# KiCad board iMX6_BareBones.kicad_pcb
title: i.MX 6ULL Bare Bones; date: 2026-04-22; rev: 1; company: Wolfe Electronics
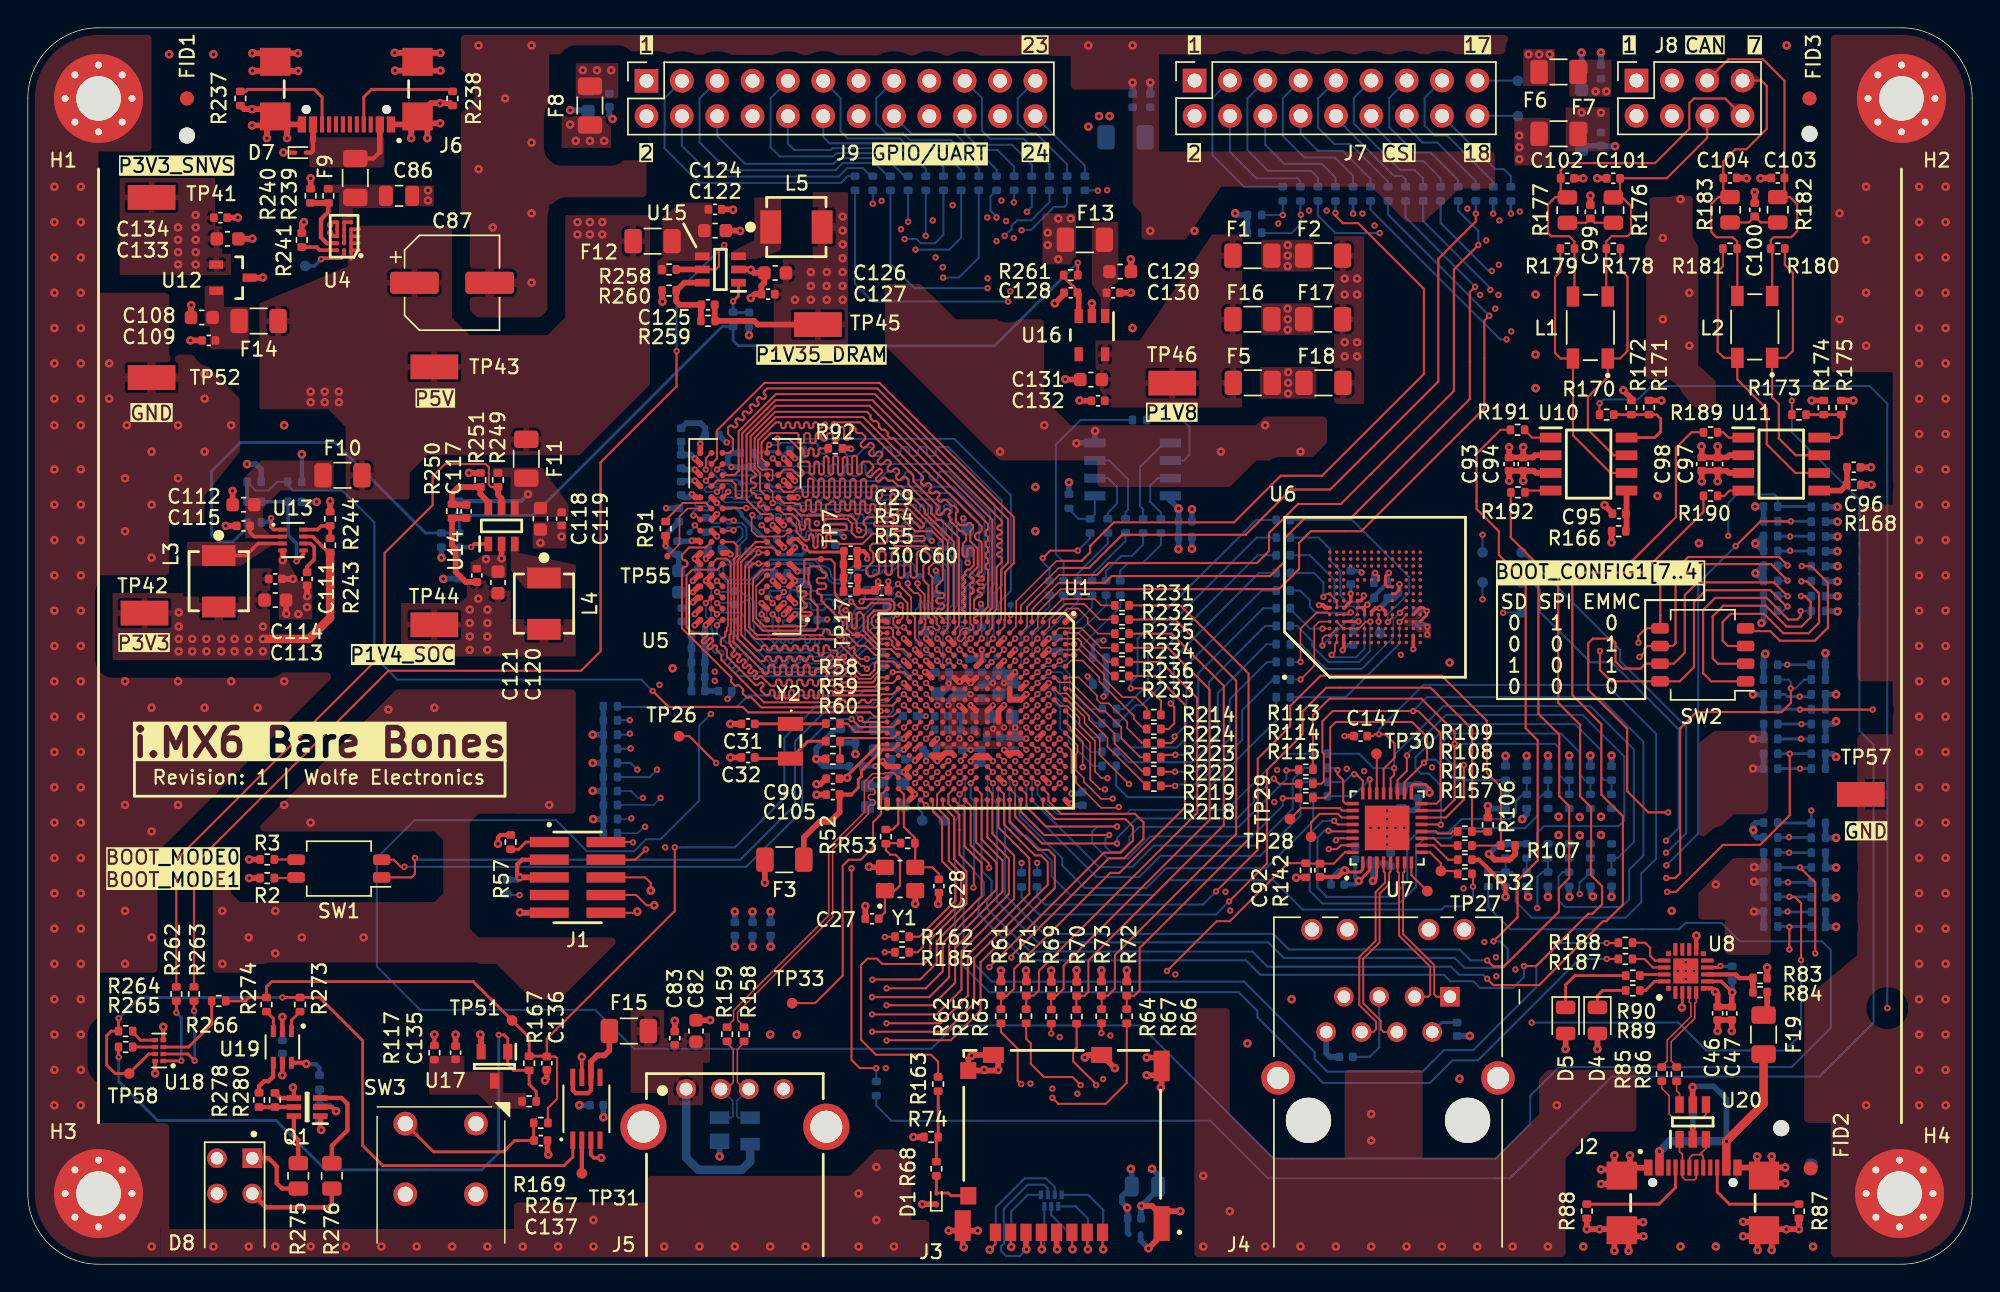
[diagram p0: board, top side]
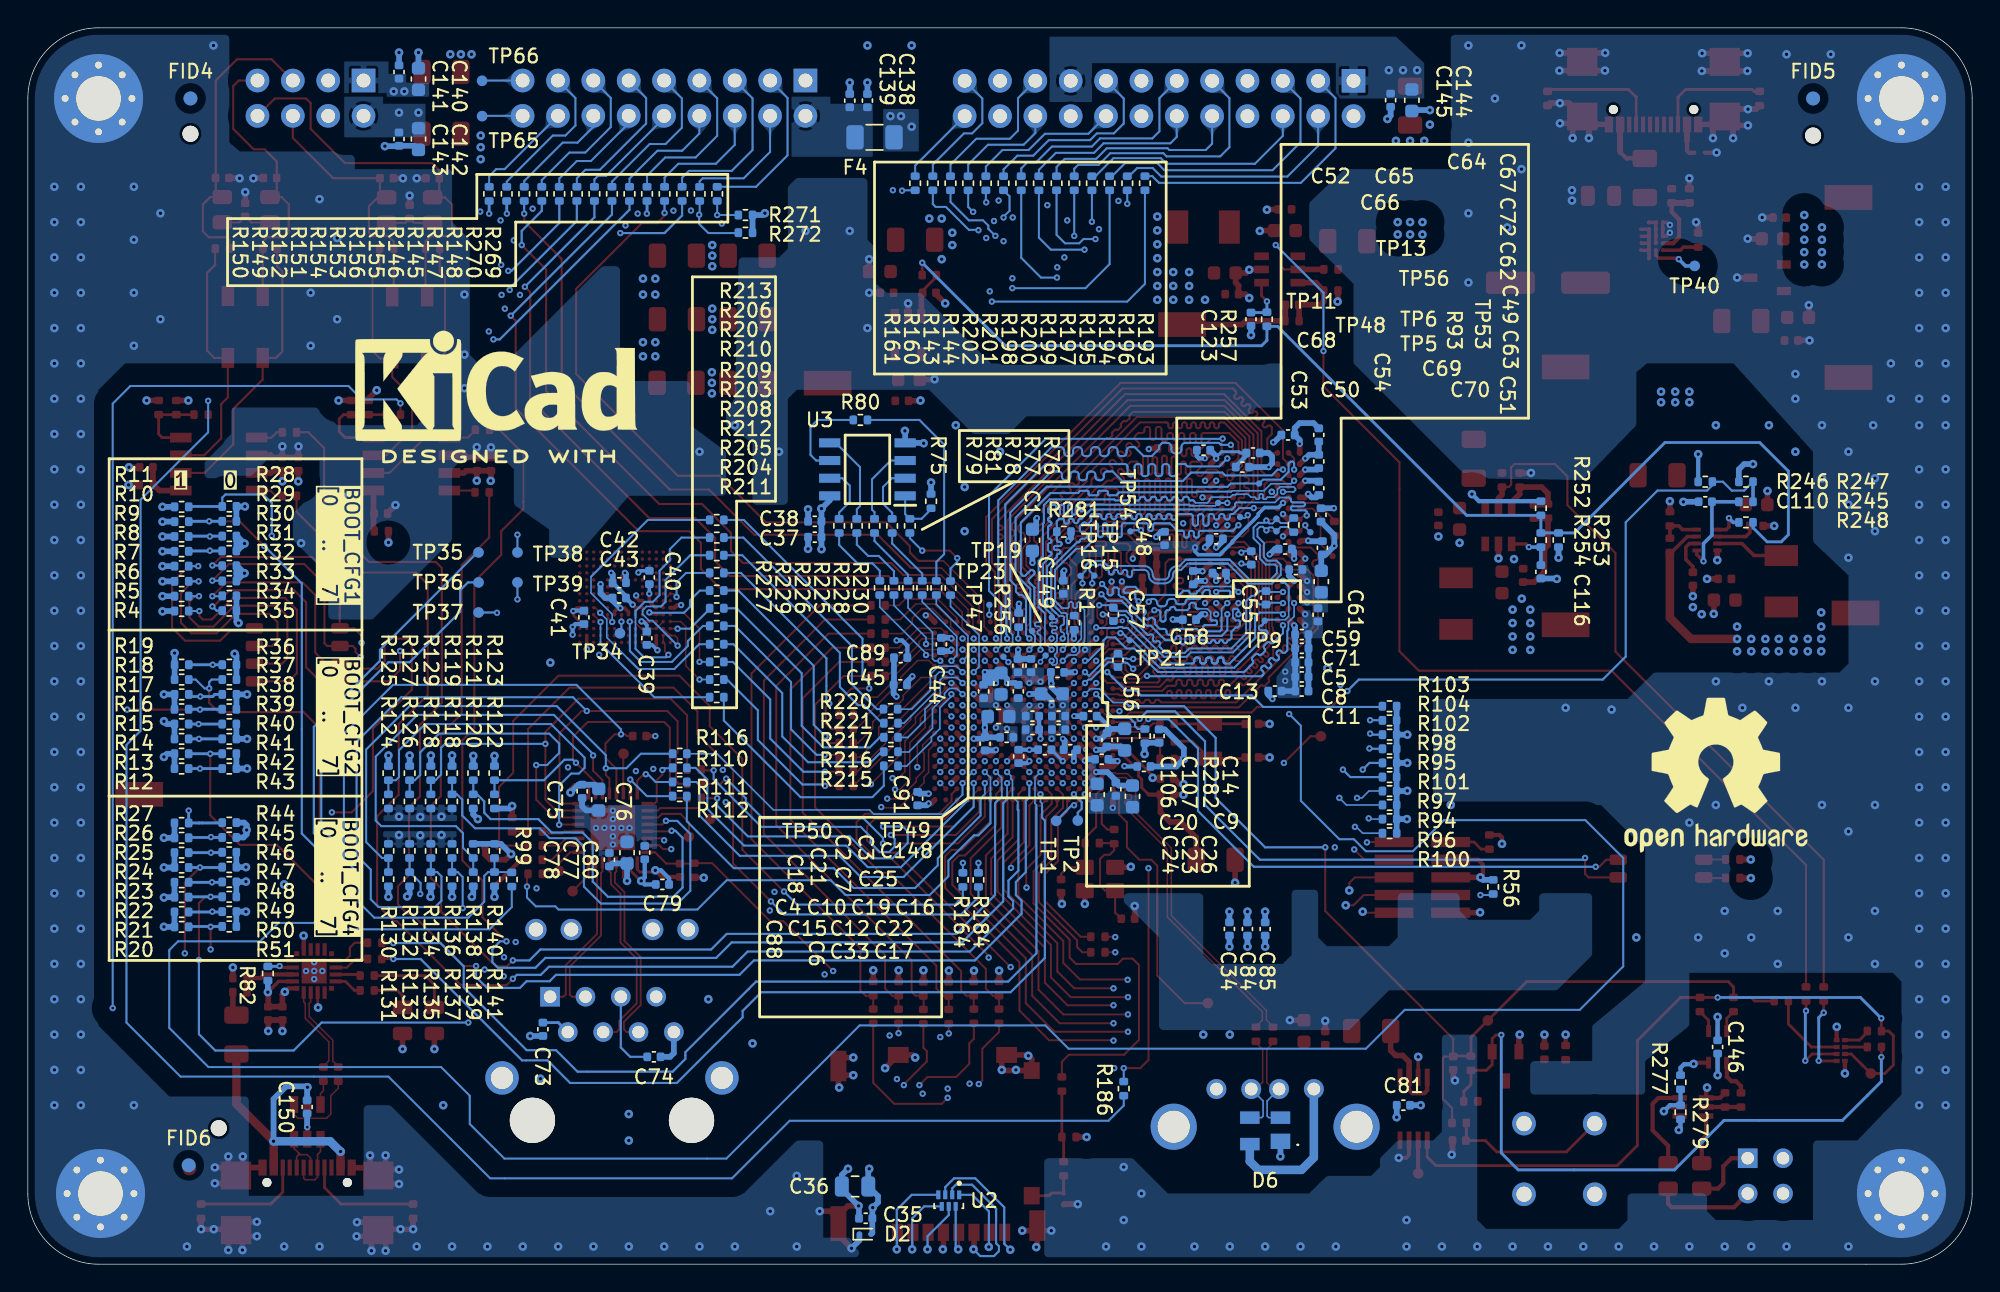
[diagram p1: board, bottom side, seen from below]

Outline 139.7 x 88.9 mm; copper layers: Top, In1.Cu (plane), In2.Cu (plane), In3.Cu, In4.Cu (plane), Bottom. Coordinates in mm from the lower left corner of the outline.
Outline path: 0,83.82 arc(1.49,87.41) 5.08,88.9 134.62,88.9 arc(138.21,87.41) 139.7,83.82 139.7,5.08 arc(138.21,1.49) 134.62,0 5.08,0 arc(1.49,1.49) 0,5.08 0,83.82
Stack: Top 0.035mm / dielectric 0.092mm FR4 er 4.1 / In1.Cu 0.03mm / dielectric 0.3mm FR4 er 4.6 / In2.Cu 0.03mm / dielectric 0.203mm FR4 er 4.4 / dielectric 0.218mm FR4 er 4.4 / dielectric 0.203mm FR4 er 4.4 / In3.Cu 0.03mm / dielectric 0.3mm FR4 er 4.6 / In4.Cu 0.035mm / dielectric 0.092mm FR4 er 4.1 / Bottom 0.0175mm

## Placement (name value [footprint] x y rotation side)
C1  10uF  [C_0603_1608Metric]  67.52 52.06 90 bottom
C2  0.22uF  [C_0402_1005Metric]  68.56 43.04 90 bottom
C3  0.22uF  [C_0402_1005Metric]  67.62 43.04 90 bottom
C4  22uF  [C_0603_1608Metric]  69.96 39.38 0 bottom
C5  0.22uF  [C_0402_1005Metric]  48.16 43.27 180 bottom
C6  4.7uF  [C_0402_1005Metric]  68.51 36.51 90 bottom
C7  4.7uF  [C_0402_1005Metric]  68.54 41.18 90 bottom
C8  0.22uF  [C_0402_1005Metric]  48.16 42.23 180 bottom
C9  0.22uF  [C_0402_1005Metric]  59.51 35.79 180 bottom
C10  0.22uF  [C_0402_1005Metric]  67.52 39.41 180 bottom
C11  0.22uF  [C_0402_1005Metric]  48.16 41.21 180 bottom
C12  0.22uF  [C_0402_1005Metric]  67.52 38.44 180 bottom
C13  0.22uF  [C_0402_1005Metric]  50.1 41.21 0 bottom
C14  0.22uF  [C_0402_1005Metric]  58.42 37.97 90 bottom
C15  0.22uF  [C_0402_1005Metric]  69.37 37.88 0 bottom
C16  0.22uF  [C_0402_1005Metric]  63.38 39.41 180 bottom
C17  0.22uF  [C_0402_1005Metric]  64.8 36.99 180 bottom
C18  0.22uF  [C_0402_1005Metric]  71.03 41.18 90 bottom
C19  0.22uF  [C_0402_1005Metric]  65.64 39.41 180 bottom
C20  0.22uF  [C_0402_1005Metric]  62.54 36.31 180 bottom
C21  22uF  [C_0603_1608Metric]  69.78 41.74 90 bottom
C22  0.22uF  [C_0402_1005Metric]  65.64 38.44 180 bottom
C23  0.22uF  [C_0402_1005Metric]  61.53 34.15 270 bottom
C24  10uF  [C_0603_1608Metric]  62.87 33.77 270 bottom
C25  22uF  [C_0603_1608Metric]  66.12 41.01 180 bottom
C26  10uF  [C_0603_1608Metric]  60.33 33.64 270 bottom
C27  22pF  [C_0402_1005Metric]  60.66 24.84 180 top
C28  22pF  [C_0402_1005Metric]  65.46 27.19 270 top
C29  0.1uF  [C_0402_1005Metric]  59.11 51.27 180 top
C30  0.1uF  [C_0402_1005Metric]  59.09 48.37 0 top
C31  18pF  [C_0402_1005Metric]  51.75 38.85 180 top
C32  18pF  [C_0402_1005Metric]  51.75 36.43 180 top
C33  4.7uF  [C_0402_1005Metric]  66.63 36.99 0 bottom
C34  0.22uF  [C_0402_1005Metric]  53.37 24.1 270 bottom
C35  0.22uF  [C_0402_1005Metric]  79.5 3.3 0 bottom
C36  47uF  [C_0805_2012Metric]  80.26 5.59 0 bottom
C37  0.22uF  [C_0402_1005Metric]  83.16 52.27 0 bottom
C38  2.2uF  [C_0402_1005Metric]  83.16 53.42 0 bottom
C39  1uF  [C_0402_1005Metric]  95.22 45.01 90 bottom
C40  0.22uF  [C_0402_1005Metric]  95.05 49.38 90 bottom
C41  2.2uF  [C_0402_1005Metric]  99.75 46.51 90 bottom
C42  0.22uF  [C_0402_1005Metric]  97.21 49 0 bottom
C43  2.2uF  [C_0402_1005Metric]  97.21 47.9 180 bottom
C44  0.22uF  [C_0402_1005Metric]  74.07 44.56 270 bottom
C45  0.22uF  [C_0402_1005Metric]  77.01 41.66 180 bottom
C46  4.7uF  [C_0402_1005Metric]  121.41 18.03 90 top
C47  0.1uF  [C_0402_1005Metric]  122.43 18.03 90 top
C48  0.22uF  [C_0402_1005Metric]  58.02 52.18 270 bottom
C49  0.22uF  [C_0402_1005Metric]  46.79 53.87 90 bottom
C50  0.22uF  [C_0402_1005Metric]  54.1 49.7 180 bottom
C51  22uF  [C_0603_1608Metric]  46.77 49.08 90 bottom
C52  0.22uF  [C_0402_1005Metric]  55.23 58.53 180 bottom
C53  0.22uF  [C_0402_1005Metric]  55.96 49.36 90 bottom
C54  2.2pF  [C_0402_1005Metric]  51.8 50.79 90 bottom  (not fitted)
C55  2.2pF  [C_0402_1005Metric]  50.73 47.92 270 bottom  (not fitted)
C56  2.2pF  [C_0402_1005Metric]  61.37 43.42 270 bottom
C57  2.2pF  [C_0402_1005Metric]  61.7 46.72 270 bottom
C58  0.22uF  [C_0402_1005Metric]  56.24 46.34 180 bottom
C59  0.22uF  [C_0402_1005Metric]  48.16 45.27 0 bottom
C60  0.22uF  [C_0402_1005Metric]  61.35 48.45 0 top
C61  0.22uF  [C_0402_1005Metric]  47 46.7 90 bottom
C62  0.22uF  [C_0402_1005Metric]  46.95 55.79 90 bottom
C63  0.22uF  [C_0402_1005Metric]  46.69 51.51 90 bottom
C64  0.22uF  [C_0402_1005Metric]  49.16 59.63 0 bottom
C65  0.22uF  [C_0402_1005Metric]  51.67 58.33 0 bottom
C66  0.22uF  [C_0402_1005Metric]  52.43 57.31 0 bottom
C67  0.22uF  [C_0402_1005Metric]  46.95 59.63 270 bottom
C68  0.22uF  [C_0402_1005Metric]  54.31 52.16 180 bottom
C69  0.22uF  [C_0402_1005Metric]  49.36 51.42 0 bottom
C70  0.22uF  [C_0402_1005Metric]  48.6 49.95 180 bottom
C71  0.22uF  [C_0402_1005Metric]  48.16 44.28 0 bottom
C72  0.22uF  [C_0402_1005Metric]  46.95 57.72 90 bottom
C73  0.1uF  [C_0402_1005Metric]  102.69 16.89 270 bottom
C74  0.1uF  [C_0402_1005Metric]  94.72 14.91 180 bottom
C75  0.1uF  [C_0402_1005Metric]  99.87 34 270 bottom
C76  22uF  [C_0603_1608Metric]  98.68 33.4 270 bottom
C77  22uF  [C_0603_1608Metric]  96.65 29.59 90 bottom
C78  0.1uF  [C_0402_1005Metric]  97.92 29.08 90 bottom
C79  0.1uF  [C_0402_1005Metric]  94.11 27.31 180 bottom
C80  2.2uF  [C_0402_1005Metric]  95.38 29.59 90 bottom
C81  1uF  [C_0402_1005Metric]  40.87 11.43 180 bottom
C82  10uF  [C_0603_1608Metric]  48.01 16.76 270 top
C83  0.1uF  [C_0402_1005Metric]  46.48 16.26 270 top
C84  0.22uF  [C_0402_1005Metric]  52.07 24.1 90 bottom
C85  0.22uF  [C_0402_1005Metric]  50.8 24.1 90 bottom
C86  4.7uF  [C_0805_2012Metric]  26.67 76.82 0 top
C87  100uF  [CP_Elec_6.3x7.7]  30.48 70.57 0 top
C88  0.22uF  [C_0402_1005Metric]  70.92 37.43 270 bottom
C89  0.22uF  [C_0402_1005Metric]  76.99 43.61 180 bottom
C90  1uF  [C_0402_1005Metric]  57.84 33.77 0 top
C91  0.22uF  [C_0402_1005Metric]  75.77 33.48 90 bottom
C92  0.1uF  [C_0402_1005Metric]  92.84 28.32 270 top
C93  1uF  [C_0402_1005Metric]  106.43 57.53 90 top
C94  0.1uF  [C_0402_1005Metric]  107.44 57.53 90 top
C95  1uF  [C_0402_1005Metric]  114.33 53.97 180 top
C96  1uF  [C_0402_1005Metric]  131.19 57.3 0 top
C97  0.1uF  [C_0402_1005Metric]  121.41 57.53 90 top
C98  1uF  [C_0402_1005Metric]  120.27 57.53 90 top
C99  0.01uF  [C_0402_1005Metric]  112.27 75.67 90 top  (not fitted)
C100  0.01uF  [C_0402_1005Metric]  124.08 75.82 90 top  (not fitted)
C101  56pF  [C_0402_1005Metric]  113.92 78.08 180 top
C102  56pF  [C_0402_1005Metric]  110.62 78.08 0 top
C103  56pF  [C_0402_1005Metric]  125.73 78.1 180 top
C104  56pF  [C_0402_1005Metric]  122.3 78.1 0 top
C105  1uF  [C_0402_1005Metric]  57.84 34.91 0 top
C106  0.1uF  [C_0402_1005Metric]  62.16 37.7 270 bottom
C107  10uF  [C_0603_1608Metric]  60.89 37.72 270 bottom
C108  10uF  [C_0603_1608Metric]  12.5 68.07 180 top
C109  0.1uF  [C_0402_1005Metric]  13 66.42 180 top
C110  0.22uF  [C_0402_1005Metric]  19.18 54.82 180 bottom
C111  2.2nF  [C_0402_1005Metric]  20.07 49.28 90 top
C112  10uF  [C_0603_1608Metric]  15.49 54.61 180 top
C113  22uF  [C_0603_1608Metric]  17.78 47.75 0 top
C114  0.1uF  [C_0402_1005Metric]  17.78 49.28 0 top
C115  0.1uF  [C_0402_1005Metric]  15.49 53.09 180 top
C116  0.22uF  [C_0402_1005Metric]  30.99 49.78 90 bottom
C117  22pF  [C_0402_1005Metric]  31.5 54.13 270 top
C118  10uF  [C_0603_1608Metric]  36.83 53.59 270 top
C119  0.1uF  [C_0402_1005Metric]  38.35 53.59 270 top
C120  10uF  [C_0603_1608Metric]  33.78 49.02 90 top
C121  0.1uF  [C_0402_1005Metric]  32.26 49.53 90 top
C122  10uF  [C_0603_1608Metric]  49.38 74.32 0 top
C123  0.22uF  [C_0402_1005Metric]  51.82 67.94 90 bottom
C124  0.1uF  [C_0402_1005Metric]  49.38 75.84 0 top
C125  22pF  [C_0402_1005Metric]  48.87 68.99 0 top
C126  10uF  [C_0603_1608Metric]  53.7 71.27 180 top
C127  0.1uF  [C_0402_1005Metric]  53.19 69.75 180 top
C128  0.22uF  [C_0402_1005Metric]  74.93 69.85 0 top
C129  10uF  [C_0603_1608Metric]  78.49 71.37 0 top
C130  0.1uF  [C_0402_1005Metric]  77.98 69.85 0 top
C131  10uF  [C_0603_1608Metric]  76.39 63.61 180 top
C132  0.1uF  [C_0402_1005Metric]  76.9 62.08 180 top
C133  10uF  [C_0603_1608Metric]  14.35 73.73 0 top
C134  0.1uF  [C_0402_1005Metric]  13.84 75.25 0 top
C135  0.1uF  [C_0402_1005Metric]  30.73 15.21 270 top
C136  0.1uF  [C_0402_1005Metric]  37.29 14.45 90 top  (not fitted)
C137  0.1uF  [C_0402_1005Metric]  36.86 8.89 180 top  (not fitted)
C138  1uF  [C_0402_1005Metric]  79.38 83.66 90 bottom
C139  0.1uF  [C_0402_1005Metric]  80.64 83.66 90 bottom
C140  10uF  [C_0603_1608Metric]  111.63 85.22 90 bottom
C141  0.1uF  [C_0402_1005Metric]  113.03 85.72 90 bottom
C142  10uF  [C_0603_1608Metric]  111.63 80.9 270 bottom
C143  0.1uF  [C_0402_1005Metric]  113.03 80.9 270 bottom
C144  10uF  [C_0603_1608Metric]  40.26 83.69 270 bottom
C145  0.1uF  [C_0402_1005Metric]  41.78 83.69 270 bottom
C146  0.22uF  [C_0402_1005Metric]  18.29 15.62 270 bottom
C147  0.1uF  [C_0402_1005Metric]  95.76 37.97 180 top
C148  0.22uF  [C_0402_1005Metric]  65.72 42.56 0 bottom
C149  0.22uF  [C_0402_1005Metric]  65.31 48.68 270 bottom
C150  0.1uF  [C_0402_1005Metric]  119.63 11.3 90 bottom
D1  ESD9B5.0ST5G  [D_SOD-923]  65.28 4.7 90 top
D2  ESD9B5.0ST5G  [D_SOD-923]  79.53 2.16 180 bottom
D4  LTST-C170GKT  [LED_0805_2012Metric]  112.78 17.53 270 top
D5  LTST-C170KRKT  [LED_0805_2012Metric]  110.49 17.53 270 top
D6  -  [SP0503BAHTG]  50.8 9.59 90 bottom
D7  ESD9B5.0ST5G  [D_SOD-923]  19.59 79.93 0 top
D8  WP934MD/2GD  [LED_WP934MD_2GD]  14.86 4.7 270 top
F1  SF-1206S080-2  [Fuse_1206_3216Metric]  87.98 72.52 180 top
F2  SF-1206S080-2  [Fuse_1206_3216Metric]  93.06 72.52 0 top  (not fitted)
F3  SF-1206S080-2  [Fuse_1206_3216Metric]  54.36 29.08 180 top
F4  SF-1206S080-2  [Fuse_1206_3216Metric]  78.87 81.03 180 bottom
F5  SF-1206S080-2  [Fuse_1206_3216Metric]  88.01 63.37 180 top
F6  SF-1206S080-2  [Fuse_1206_3216Metric]  109.98 85.72 180 top
F7  SF-1206S080-2  [Fuse_1206_3216Metric]  109.98 81.28 180 top
F8  SF-1206S080-2  [Fuse_1206_3216Metric]  40.39 83.31 270 top
F9  SF-1206S300-2  [Fuse_1206_3216Metric]  23.52 78.1 90 top
F10  SF-1206S150-2  [Fuse_1206_3216Metric]  22.61 56.72 0 top
F11  SF-1206S080-2  [Fuse_1206_3216Metric]  35.81 57.91 90 top
F12  SF-1206S080-2  [Fuse_1206_3216Metric]  44.89 73.56 180 top
F13  SF-1206S080-2  [Fuse_1206_3216Metric]  75.95 73.66 180 top
F14  SF-1206S080-2  [Fuse_1206_3216Metric]  16.58 67.82 0 top
F15  SF-1206S080-2  [Fuse_1206_3216Metric]  43.18 16.76 180 top
F16  SF-1206S080-2  [Fuse_1206_3216Metric]  87.98 67.94 180 top
F17  SF-1206S080-2  [Fuse_1206_3216Metric]  93.06 67.94 0 top  (not fitted)
F18  SF-1206S080-2  [Fuse_1206_3216Metric]  93.09 63.37 0 top  (not fitted)
F19  SF-1206S080-2  [Fuse_1206_3216Metric]  124.71 16.51 270 top
FID1  Fiducial  [Fiducial_1mm_Mask2mm]  11.43 83.82 0 top
FID2  Fiducial  [Fiducial_1mm_Mask2mm]  128.09 6.88 0 top
FID3  Fiducial  [Fiducial_1mm_Mask2mm]  128.02 83.82 0 top
FID4  Fiducial  [Fiducial_1mm_Mask2mm]  128.02 83.82 180 bottom
FID5  Fiducial  [Fiducial_1mm_Mask2mm]  11.43 83.82 180 bottom
FID6  Fiducial  [Fiducial_1mm_Mask2mm]  128.14 7.11 180 bottom
H1  3.2mm M3  [MountingHole_3.2mm_M3_Pad_Via]  5.08 83.82 0 top
H2  3.2mm M3  [MountingHole_3.2mm_M3_Pad_Via]  134.62 83.82 0 top
H3  3.2mm M3  [MountingHole_3.2mm_M3_Pad_Via]  5.08 5.08 0 top
H4  3.2mm M3  [MountingHole_3.2mm_M3_Pad_Via]  134.48 5.08 0 top
H5  Tooling Hole  [ToolingHole_1.152mm]  11.43 81.15 0 top
H6  Tooling Hole  [ToolingHole_1.152mm]  128.02 81.28 0 top
H7  Tooling Hole  [ToolingHole_1.152mm]  125.98 9.78 0 top
J1  FTSH-105-01-L-DV-K  [SAMTEC_FTSH-105-XX-X-DV]  39.5 27.81 270 top
J2  USB4110-GF-A  [GCT_USB4110GFA]  119.63 5.87 0 top
J3  MEM2090-00-145-00-A  [GCT_MEM2090-00-145-00-A_REVA]  74.32 0.42 0 top
J4  7499010121A  [T_Wurth_WE-RJ45LAN_7499010121A]  102.17 19.23 0 top
J5  61400416021  [USBArec_61400416021]  50.8 6.6 0 top
J6  USB4110  [GCT_USB4110GFA]  22.89 83.03 180 top
J7  PPPC092LFBN-RC  [PinSocket_2x09_P2.54mm_Vertical (Sullins PPPC092LFBN-RC)]  83.83 85.11 90 top
J8  PPPC042LFBN-RC  [PinSocket_2x04_P2.54mm_Vertical ( Sullins PPPC042LFBN-RC)]  115.58 85.11 90 top
J9  PPPC122LFBN-RC  [PinSocket_2x12_P2.54mm_Vertical (Sullins PPPC122LFBN-RC)]  44.45 85.09 90 top
L1  DLW43SH510XK2K  [FIL_DLW43SH510XK2K]  112.27 67.35 90 top  (not fitted)
L2  DLW43SH510XK2K  [FIL_DLW43SH510XK2K]  124.08 67.4 90 top  (not fitted)
L3  1uH  [WE-LHMI_4020]  13.72 49.11 270 top
L4  2.2uH  [WE-LHMI_4020]  37.08 47.5 270 top
L5  2.2uH  [WE-LHMI_4020]  55.22 74.57 0 top
OSHW_LOGO  -  [OSHW-Logo2_14.6x12mm_SilkScreen]  18.41 35.18 180 bottom
Q1  MBT3904DW1T3G  [DualNPN_MBT3904DW1T3G_SOT65P210X110-6N]  20.07 11.3 180 top
R1  240  [R_0402_1005Metric]  64.52 46.13 270 bottom
R2  10k  [R_0402_1005Metric]  17.2 27.76 0 top
R3  10k  [R_0402_1005Metric]  17.2 29.1 0 top
R4  1k  [R_0402_1005Metric]  128.65 46.96 180 bottom
R5  1k  [R_0402_1005Metric]  128.65 48.03 180 bottom
R6  1k  [R_0402_1005Metric]  128.65 49.1 180 bottom
R7  1k  [R_0402_1005Metric]  128.65 50.19 180 bottom
R8  10k  [R_0402_1005Metric]  128.65 51.26 180 bottom  (not fitted)
R9  10k  [R_0402_1005Metric]  128.65 52.32 180 bottom  (not fitted)
R10  10k  [R_0402_1005Metric]  128.65 53.39 180 bottom  (not fitted)
R11  10k  [R_0402_1005Metric]  128.65 54.46 180 bottom  (not fitted)
R12  10k  [R_0402_1005Metric]  128.65 35.64 180 bottom  (not fitted)
R13  10k  [R_0402_1005Metric]  128.65 36.7 180 bottom  (not fitted)
R14  10k  [R_0402_1005Metric]  128.65 37.77 180 bottom
R15  10k  [R_0402_1005Metric]  128.65 38.84 180 bottom  (not fitted)
R16  10k  [R_0402_1005Metric]  128.65 39.9 180 bottom  (not fitted)
R17  10k  [R_0402_1005Metric]  128.65 40.97 180 bottom  (not fitted)
R18  10k  [R_0402_1005Metric]  128.65 42.04 180 bottom  (not fitted)
R19  10k  [R_0402_1005Metric]  128.65 43.1 180 bottom  (not fitted)
R20  10k  [R_0402_1005Metric]  128.65 24.26 180 bottom  (not fitted)
R21  10k  [R_0402_1005Metric]  128.66 25.32 180 bottom  (not fitted)
R22  10k  [R_0402_1005Metric]  128.65 26.39 180 bottom  (not fitted)
R23  10k  [R_0402_1005Metric]  128.65 27.46 180 bottom  (not fitted)
R24  10k  [R_0402_1005Metric]  128.65 28.52 180 bottom  (not fitted)
R25  10k  [R_0402_1005Metric]  128.65 29.59 180 bottom  (not fitted)
R26  10k  [R_0402_1005Metric]  128.65 30.66 180 bottom  (not fitted)
R27  10k  [R_0402_1005Metric]  128.65 31.72 180 bottom  (not fitted)
R28  10k  [R_0402_1005Metric]  125.22 54.48 0 bottom
R29  10k  [R_0402_1005Metric]  125.23 53.42 0 bottom
R30  10k  [R_0402_1005Metric]  125.22 52.35 0 bottom
R31  10k  [R_0402_1005Metric]  125.23 51.28 0 bottom
R32  10k  [R_0402_1005Metric]  125.22 50.22 0 bottom
R33  10k  [R_0402_1005Metric]  125.22 49.12 0 bottom
R34  10k  [R_0402_1005Metric]  125.22 48.06 0 bottom
R35  10k  [R_0402_1005Metric]  125.22 46.99 0 bottom
R36  10k  [R_0402_1005Metric]  125.22 43.1 0 bottom
R37  10k  [R_0402_1005Metric]  125.22 42.04 0 bottom
R38  10k  [R_0402_1005Metric]  125.22 40.97 0 bottom
R39  10k  [R_0402_1005Metric]  125.23 39.9 0 bottom
R40  10k  [R_0402_1005Metric]  125.23 38.84 0 bottom
R41  10k  [R_0402_1005Metric]  125.23 37.77 0 bottom  (not fitted)
R42  10k  [R_0402_1005Metric]  125.23 36.7 0 bottom
R43  10k  [R_0402_1005Metric]  125.23 35.64 0 bottom
R44  10k  [R_0402_1005Metric]  125.23 31.75 0 bottom
R45  10k  [R_0402_1005Metric]  125.23 30.68 0 bottom
R46  10k  [R_0402_1005Metric]  125.23 29.62 0 bottom
R47  10k  [R_0402_1005Metric]  125.23 28.55 0 bottom
R48  10k  [R_0402_1005Metric]  125.23 27.48 0 bottom
R49  10k  [R_0402_1005Metric]  125.23 26.42 0 bottom
R50  10k  [R_0402_1005Metric]  125.23 25.35 0 bottom
R51  10k  [R_0402_1005Metric]  125.23 24.28 0 bottom
R52  0  [R_0402_1005Metric]  61.65 30.75 90 top
R53  1M  [R_0402_1005Metric]  63.22 30.28 0 top  (not fitted)
R54  1.5k  [R_0402_1005Metric]  59.11 50.32 180 top
R55  1.5k  [R_0402_1005Metric]  59.11 49.34 0 top
R56  4.7k  [R_0402_1005Metric]  34.42 27.13 270 bottom
R57  240  [R_0402_1005Metric]  34.69 30.35 270 top
R58  0  [R_0402_1005Metric]  57.84 38.87 0 top
R59  0  [R_0402_1005Metric]  57.84 37.6 0 top
R60  0  [R_0402_1005Metric]  57.84 36.33 0 top  (not fitted)
R61  10k  [R_0402_1005Metric]  69.92 19.81 90 top
R62  0  [R_0402_1005Metric]  69.92 17.83 90 top
R63  0  [R_0402_1005Metric]  73.53 17.81 90 top
R64  0  [R_0402_1005Metric]  75.36 17.81 90 top
R65  0  [R_0402_1005Metric]  71.73 17.83 90 top
R66  0  [R_0402_1005Metric]  78.96 17.83 90 top
R67  0  [R_0402_1005Metric]  77.14 17.83 90 top
R68  0  [R_0402_1005Metric]  65.28 6.86 90 top
R69  10k  [R_0402_1005Metric]  73.54 19.79 90 top
R70  10k  [R_0402_1005Metric]  75.36 19.79 90 top
R71  10k  [R_0402_1005Metric]  71.74 19.81 90 top
R72  10k  [R_0402_1005Metric]  78.96 19.81 90 top
R73  10k  [R_0402_1005Metric]  77.13 19.81 90 top
R74  10k  [R_0402_1005Metric]  64.9 9.14 180 top
R75  10k  [R_0402_1005Metric]  74.8 54.86 90 bottom
R76  0  [R_0402_1005Metric]  76.33 53.09 270 bottom
R77  0  [R_0402_1005Metric]  77.6 53.09 270 bottom
R78  0  [R_0402_1005Metric]  78.87 53.09 270 bottom
R79  0  [R_0402_1005Metric]  81.41 53.09 90 bottom
R80  0  [R_0402_1005Metric]  79.88 60.71 0 bottom
R81  0  [R_0402_1005Metric]  80.14 53.09 90 bottom
R82  10k  [R_0402_1005Metric]  122.45 20.9 270 bottom
R83  47.5k  [R_0402_1005Metric]  124.46 20.57 180 top
R84  22.1k  [R_0402_1005Metric]  124.46 19.56 0 top
R85  0  [R_0402_1005Metric]  117.4 13.67 270 top
R86  0  [R_0402_1005Metric]  118.47 13.67 270 top
R87  5.1k  [R_0402_1005Metric]  127.25 3.81 90 top
R88  5.1k  [R_0402_1005Metric]  112.01 3.81 90 top
R89  470  [R_0402_1005Metric]  115.32 19.69 0 top
R90  470  [R_0402_1005Metric]  115.32 20.75 0 top
R91  240  [R_0402_1005Metric]  45.83 52.89 270 top
R92  10k  [R_0402_1005Metric]  58.02 58.66 0 top
R93  470  [R_0402_1005Metric]  48.75 53.15 90 bottom
R94  1M  [R_0402_1005Metric]  41.86 33.02 0 bottom
R95  1M  [R_0402_1005Metric]  41.86 36.04 0 bottom
R96  1M  [R_0402_1005Metric]  41.86 32 0 bottom
R97  1M  [R_0402_1005Metric]  41.86 34.02 0 bottom
R98  1M  [R_0402_1005Metric]  41.86 37.06 0 bottom
R99  0  [R_0402_1005Metric]  104.93 27.66 270 bottom
R100  1M  [R_0402_1005Metric]  41.86 30.99 0 bottom
R101  1M  [R_0402_1005Metric]  41.86 35.03 0 bottom
R102  1M  [R_0402_1005Metric]  41.86 38.07 0 bottom
R103  1M  [R_0402_1005Metric]  41.86 40.12 0 bottom
R104  0  [R_0402_1005Metric]  41.86 39.1 0 bottom
R105  6.49k  [R_0402_1005Metric]  103.25 29.08 180 top
R106  1k  [R_0402_1005Metric]  104.9 31.6 90 top
R107  1k  [R_0402_1005Metric]  106.35 30.1 0 top
R108  0  [R_0402_1005Metric]  103.25 30.1 0 top
R109  0  [R_0402_1005Metric]  103.25 31.11 0 top
R110  0  [R_0402_1005Metric]  92.86 35.69 180 bottom
R111  0  [R_0402_1005Metric]  92.86 34.67 180 bottom
R112  0  [R_0402_1005Metric]  92.86 33.66 180 bottom
R113  0  [R_0402_1005Metric]  91.82 35.56 180 top
R114  0  [R_0402_1005Metric]  91.82 34.54 180 top
R115  0  [R_0402_1005Metric]  91.82 33.53 180 top
R116  0  [R_0402_1005Metric]  92.86 36.7 180 bottom
R117  1.5k  [R_0402_1005Metric]  29.21 15.21 90 top
R118  4.7k  [R_0402_1005Metric]  109.22 33.28 270 bottom
R119  1k  [R_0402_1005Metric]  109.22 35.31 270 bottom  (not fitted)
R120  4.7k  [R_0402_1005Metric]  107.7 33.28 270 bottom  (not fitted)
R121  1k  [R_0402_1005Metric]  107.7 35.31 270 bottom
R122  4.7k  [R_0402_1005Metric]  106.17 33.28 270 bottom  (not fitted)
R123  1k  [R_0402_1005Metric]  106.17 35.31 270 bottom
R124  4.7k  [R_0402_1005Metric]  113.79 33.27 270 bottom
R125  1k  [R_0402_1005Metric]  113.79 35.31 270 bottom  (not fitted)
R126  4.7k  [R_0402_1005Metric]  112.27 33.27 270 bottom  (not fitted)
R127  1k  [R_0402_1005Metric]  112.27 35.31 270 bottom
R128  4.7k  [R_0402_1005Metric]  110.74 33.27 270 bottom  (not fitted)
R129  1k  [R_0402_1005Metric]  110.74 35.31 270 bottom
R130  4.7k  [R_0402_1005Metric]  113.79 29.72 90 bottom  (not fitted)
R131  1k  [R_0402_1005Metric]  113.79 27.68 90 bottom
R132  4.7k  [R_0402_1005Metric]  112.27 29.72 90 bottom
R133  1k  [R_0402_1005Metric]  112.27 27.68 90 bottom  (not fitted)
R134  4.7k  [R_0402_1005Metric]  110.74 29.72 90 bottom  (not fitted)
R135  1k  [R_0402_1005Metric]  110.74 27.68 90 bottom
R136  4.7k  [R_0402_1005Metric]  109.22 29.71 90 bottom